# Altium PCB RHR075_GFC_ECAT_DNET_RS485_ALL_rev5.PcbDoc (part 1 of 4) (continued)
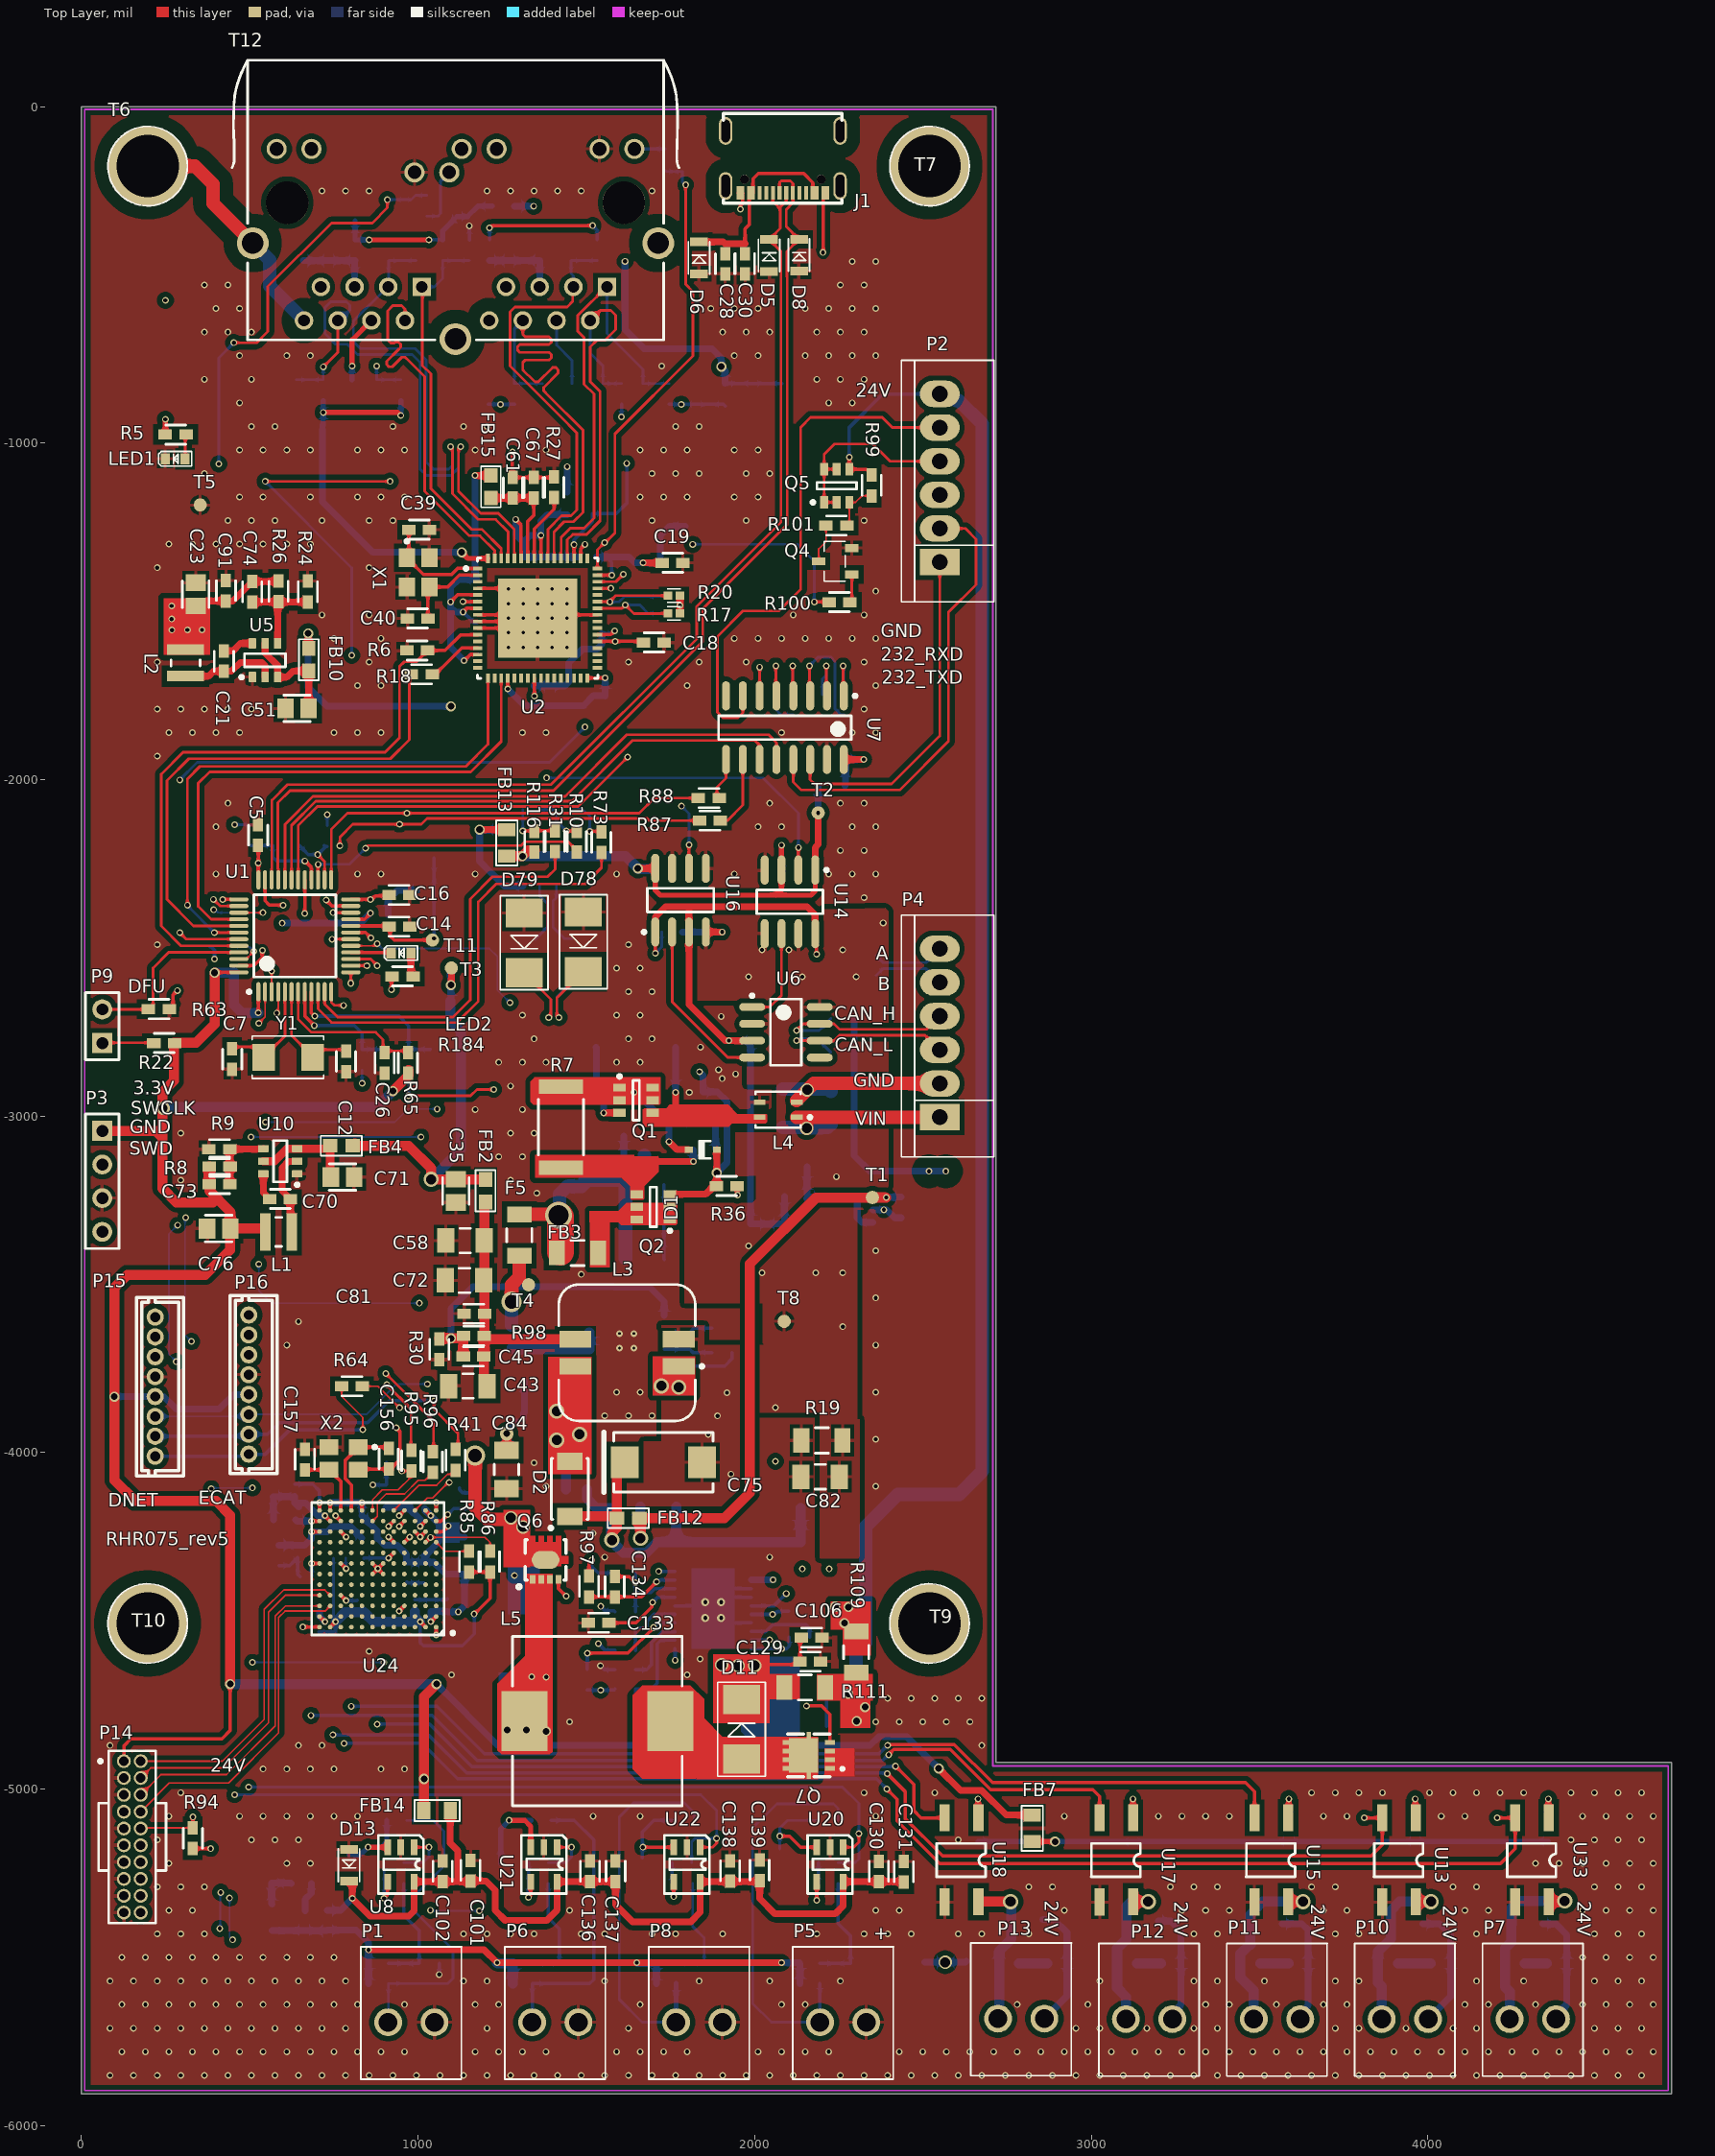
[diagram p0: Top Layer view]
## Components (designator, comment, footprint, x,y, rotation, side; value= is the part's Value field where it differs from the comment) (continued)
D11 "SS10200B" SMB 1961,-4911 r90 top
D12 "B540C-13-F" SMC 1321,-4475.25 r270 bottom
D13 "PESD3V3L1BA" SOD323 795,-5179.25 r270 top
D59 "1N4148WS" SOD323 4247.51,-5401 r0 bottom
D78 "SMBJ6.5A" SMB 1491.31,-2393.56 r270 top
D79 "SMBJ6.5A" SMB 1315.31,-2396.56 r270 top
F5 "30V/500mA" RESC3216X070N_1206 1301,-3354 r270 top
F7 "SMD1210P020TS" RESC3216X070N_1206 1348.31,-2528.56 r270 bottom
F8 "SMD1210P020TS" RESC3216X070N_1206 1458.31,-2526.56 r270 bottom
FB1 "FBC0603" FBC0603 1443,-1146 r270 bottom value="600 Ohms @ 100MHz"
FB2 "FBC0603" FBC0603 1200.53,-3255.46 r90 top value="600 Ohms @ 100MHz"
FB3 "BLM31PG121SN1L" RESC3216X070N_1206 1474.02,-3407 r180 top
FB4 "FBC0603" FBC0603 805.7,-3088.32 r180 top value="600 Ohms @ 100MHz"
FB5 "FBC0603" FBC0603 2155.45,-3238.65 r180 bottom value="600 Ohms @ 100MHz"
FB6 "FBC0603" FBC0603 905,-4163 r90 bottom value="600 Ohms @ 100MHz"
FB7 "JWWBW2012 M600HT" 0805CZ 2825,-5156 r90 top
FB8 "JWWBW2012 M600HT" 0805CZ 2268,-2018 r180 bottom
FB9 "FBC0603" FBC0603 637,-4200 r180 bottom value="600 Ohms @ 100MHz"
FB10 "FBC0603" FBC0603 675.48,-1610.47 r270 top value="600 Ohms @ 100MHz"
FB11 "FBC0603" FBC0603 1278,-3621.51 r270 bottom value="600 Ohms @ 100MHz"
FB12 "FBC0603" FBC0603 1591,-4195 r0 top value="600 Ohms @ 100MHz"
FB13 "JWWBW2012 M600HT" 0805CZ 1264,-2149 r270 top
FB14 "JWWBW2012 M600HT" 0805CZ 1096,-5064 r180 top
FB15 "FBC0603" FBC0603 1216.48,-1096.48 r270 top value="600 Ohms @ 100MHz"
FB16 "FBC0603" FBC0603 1912.46,-823.04 r270 bottom value="600 Ohms @ 100MHz"
FB17 "FBC0603" FBC0603 1287,-296 r180 bottom value="600 Ohms @ 100MHz"
FB18 "FBC0603" FBC0603 833,-4187 r270 bottom value="600 Ohms @ 100MHz"
J1 "TYPEC-304J-BCP16" TYPEC_16P 2084,-88 r180 top locked
L1 "BDCD002520122R2MS1" PULS-BDCD00252012_V 585.7,-3344.32 r180 top
L2 "BDCD002520122R2MS1" PULS-BDCD00252012_V 309.48,-1653.47 r90 top
L3 "MSD1048-103MED" COIL-MSD1048-4_V 1621,-3703.51 r270 top
L4 "ACP3225-501-2P-T000" TDK-ACP3225-4_V 2070,-2981 r180 top
L5 "FCH1365-220M" FNGCH-FCH1365-2_V 1533,-4798 r0 top
L7 "1276AS-H-100M=P2" MURA-IND1210_V 1138,-4306 r270 bottom value=1276AS-H-100M=P2
LED1 "5V" 0603LED 308,-1047 r180 top
LED2 "5V" 0603LED 979,-2515.51 r180 top
P1 "KF250NH-3.5-2P" KF250NH-3.5-2P 1049,-5693 r180 top locked
P2 "ZX-XH2.54-6PZZ" 6X2.54MMZ 2550,-1354 r90 top
P3 "Header 4" HDR1X4 62,-3044 r270 top
P4 "ZX-XH2.54-6PZZ" 6X2.54MMZ 2550,-3003 r90 top
P5 "KF250NH-3.5-2P" KF250NH-3.5-2P 2332,-5693 r180 top locked
P6 "KF250NH-3.5-2P" KF250NH-3.5-2P 1476.67,-5693 r180 top locked
P7 "KF250NH-3.5-2P" KF250NH-3.5-2P 4381,-5683.51 r180 top
P8 "KF250NH-3.5-2P" KF250NH-3.5-2P 1904.33,-5693 r180 top locked
P9 "Header 2" HDR1X2 62,-2783 r90 top
P10 "KF250NH-3.5-2P" KF250NH-3.5-2P 4001,-5683.51 r180 top
P11 "KF250NH-3.5-2P" KF250NH-3.5-2P 3621,-5683.51 r180 top
P12 "KF250NH-3.5-2P" KF250NH-3.5-2P 3241,-5683.51 r180 top
P13 "KF250NH-3.5-2P" KF250NH-3.5-2P 2861,-5682 r180 top
P14 "FTSH-110-01-F-D-K" SMTC-FTSH-110-01-F-D-K_V 151,-5142 r270 top
P15 "HC-ZH1.5-8A" CONN-TH_HC-ZH1.5-8A 219,-3804 r270 top
P16 "HC-ZH1.5-8A" CONN-TH_HC-ZH1.5-8A 497,-3798 r270 top
Q1 "SQ3419AEEV-T1_GE3" VISH-TSOP-6_V 1648,-2953 r0 top
Q2 "SQ3419AEEV-T1_GE3" VISH-TSOP-6_V 1699,-3270 r180 top
Q3 "TLV431BIDBZT" SOT23-3 566,-5341.94 r0 bottom value=TLV431BIDBZR
Q4 "MMBTA05L" sot23-3 2289,-1390.74 r0 top
Q5 "SQ3419AEEV-T1_GE3" VISH-TSOP-6_V 2244,-1127 r90 top
Q6 "AON7264E-HXY" WDFN-5_L3.3-W3.3-P0.65-BL 1379.01,-4347.94 r0 top
Q7 "GT130N10D3" PPAK3X3_L3.2-W3.1-P0.65-LS3.3-BL 2161.01,-4899.79 r90 top
Q9 "MMBT4403-7-F" SOT-23_3N_95P_240x300x100 1847,-2971.16 r90 bottom
R1 "49.9" RESC1608X055N_0603 834,-2832.51 r270 bottom
R2 "49.9" RESC1608X055N_0603 972,-2832.51 r270 bottom
R3 "49.9" RESC1608X055N_0603 503,-2165 r90 bottom
R4 "49.9" RESC1608X055N_0603 730,-2168 r90 bottom
R5 "1k/1%" RESC1608X055N_0603 280,-975 r180 top
R6 "10k/1%" RESC1608X055N_0603 997.48,-1616.47 r0 top
R7 "680mR/2W" RESC6331X070N_2512 1425,-3033 r90 top
R8 "33k/1%" RESC1608X055N_0603 410.7,-3150.32 r180 top
R9 "10k/1%" RESC1608X055N_0603 409.7,-3098.32 r0 top
R10 "1k/1%" RESC1608X055N_0603 1471.69,-2184.39 r270 top
R11 "0" RESC1608X055N_0603 413.02,-2497 r0 bottom
R12 "51K" RESC1608X055N_0603 4038.04,-5518 r0 bottom
R13 "510" RESC1608X055N_0603 3963,-5119.51 r270 bottom
R14 "51K" RESC1608X055N_0603 3614.98,-5518 r0 bottom
R15 "510" RESC1608X055N_0603 3587,-5119.51 r270 bottom
R16 "51K" RESC1608X055N_0603 3237.04,-5518 r0 bottom
R17 "10k/1%" RESC1005X040N_0402 1760.49,-1506.47 r0 top
R18 "33" RESC1608X055N_0603 1011,-1687 r0 top
R19 "1Meg" RESC3216X070N_1206 2200,-3964 r0 top
R20 "10k/1%" RESC1005X040N_0402 1760.49,-1453.47 r0 top
R21 "510" RESC1608X055N_0603 3124,-5134 r270 bottom
R22 "10k/1%" RESC1608X055N_0603 246,-2783 r180 top
R23 "51K" RESC1608X055N_0603 2897.98,-5518 r0 bottom
R24 "10k/1%" RESC1608X055N_0603 672.48,-1441.47 r270 top
R25 "1M" RESC1608X055N_0603 1503,-4675 r90 bottom
R26 "33k/1%" RESC1608X055N_0603 585.48,-1440.47 r90 top
R27 "12.1k" RESC1608X055N_0603 1404.48,-1131.48 r270 top
R28 "20" RESC1608X055N_0603 1642,-3116.51 r0 bottom
R29 "510" RESC1608X055N_0603 2665,-5124 r270 bottom
R30 "10k/1%" RESC1608X055N_0603 1063,-3693 r90 top
R31 "1k/1%" RESC1608X055N_0603 1406.69,-2183.39 r270 top
R32 "0" RESC1608X055N_0603 467.66,-2395.61 r180 bottom
R33 "32.4k/1%" RESC1608X055N_0603 1616,-4702.57 r0 bottom
R34 "100K/%1" RESC1608X055N_0603 2220,-5217 r180 bottom
R35 "1k/1%" RESC1608X055N_0603 1849,-3101.41 r0 bottom
R36 "16.9k" RESC1608X055N_0603 1917,-3208 r180 top
R37 "2K/0.1%" RESC1608X055N_0603 886,-5582 r180 bottom
R38 "10K/1%" RESC1608X055N_0603 934,-5285 r0 bottom
R39 "10K/1%" RESC1608X055N_0603 935.23,-5093 r0 bottom
R40 "100K/%1" RESC1608X055N_0603 795,-5225.98 r270 bottom
R41 "0" RESC1608X055N_0603 1112,-4022 r270 top
R42 "2K/0.1%" RESC1608X055N_0603 2165.93,-5578 r180 bottom
R43 "2K/0.1%" RESC1608X055N_0603 2165.93,-5518 r180 bottom
R44 "75/0.1%" RESC1608X055N_0603 1035,-5520 r180 bottom
R45 "10K/1%" RESC1608X055N_0603 2213,-5282 r0 bottom
R46 "10K/1%" RESC1608X055N_0603 2214,-5092 r0 bottom
R47 "100K/%1" RESC1608X055N_0603 2075,-5205 r270 bottom
R48 "75/0.1%" RESC1608X055N_0603 2315.93,-5518 r180 bottom
R49 "100K/%1" RESC1608X055N_0603 1362,-5217 r180 bottom
R50 "18.7K/1%" RESC1608X055N_0603 1616,-4645.14 r180 bottom
R51 "100K/%1" RESC1608X055N_0603 1780,-5220 r180 bottom
R52 "2K/0.1%" RESC1608X055N_0603 1310,-5579 r180 bottom
R53 "2K/0.1%" RESC1608X055N_0603 1320,-5519 r180 bottom
R54 "133K/1%" RESC1608X055N_0603 1616,-4587.71 r0 bottom
R55 "5.23K/1%" RESC1608X055N_0603 1616,-4760 r180 bottom
R56 "10K/1%" RESC1608X055N_0603 1357,-5282 r0 bottom
R57 "100" RESC1608X055N_0603 1471,-4109.49 r180 bottom
R58 "2K/0.1%" RESC1608X055N_0603 1739,-5583 r180 bottom
R59 "2K/0.1%" RESC1608X055N_0603 1743,-5518 r180 bottom
R60 "10K/1%" RESC1608X055N_0603 1361,-5090 r0 bottom
R61 "100K/%1" RESC1608X055N_0603 1244,-5244 r270 bottom
R62 "10K/1%" RESC1608X055N_0603 1785,-5284 r0 bottom
R63 "100K" RESC1608X055N_0603 230,-2682 r0 top
R64 "0" RESC1608X055N_0603 804,-3803 r0 top
R65 "10k/1%" RESC1608X055N_0603 970,-2842 r90 top
R66 "10k/1%" RESC1005X040N_0402 959.46,-295 r90 bottom
R67 "49.9" RESC1608X055N_0603 1286.46,-854 r270 bottom
R68 "49.9" RESC1608X055N_0603 1532.46,-427 r90 bottom
R69 "49.9" RESC1608X055N_0603 1604.46,-854 r270 bottom
R70 "49.9" RESC1608X055N_0603 1745.46,-854 r270 bottom
R71 "0ohm" RESC1608X055N_0603 1212.46,-427 r270 bottom
R72 "120" RESC1608X055N_0603 1026.46,-295 r270 bottom
R73 "1k/1%" RESC1608X055N_0603 1544.69,-2186.39 r270 top
R74 "10k/1%" RESC1005X040N_0402 1785,-175 r270 bottom
R75 "120" RESC1608X055N_0603 1733,-157 r90 bottom
R76 "49.9" RESC1608X055N_0603 718.46,-843 r270 bottom
R77 "49.9" RESC1608X055N_0603 994.46,-427 r90 bottom
R78 "49.9" RESC1608X055N_0603 949,-843 r270 bottom
R79 "49.9" RESC1608X055N_0603 1073.46,-427 r90 bottom
R80 "0ohm" RESC1608X055N_0603 813.46,-427 r270 bottom
R81 "75/0.1%" RESC1608X055N_0603 1454,-5516 r180 bottom
R82 "10K/1%" RESC1608X055N_0603 1782,-5095 r0 bottom
R83 "100K/%1" RESC1608X055N_0603 1668,-5235 r270 bottom
R84 "75/0.1%" RESC1608X055N_0603 1880.93,-5516 r180 bottom
R85 "1k/1%" RESC1608X055N_0603 1152,-4324 r270 top
R86 "1k/1%" RESC1608X055N_0603 1214,-4324 r270 top
R87 "4.7K" RESC1608X055N_0603 1867,-2122 r180 top
R88 "4.7K" RESC1608X055N_0603 1864,-2055 r180 top
R89 "6.49k/1%" RESC1005X040N_0402 667,-4366 r0 bottom
R90 "10k/1%" RESC1005X040N_0402 767,-4314 r180 bottom
R91 "10k/1%" RESC1005X040N_0402 819,-4457 r270 bottom
R92 "0ohm" RESC1608X055N_0603 839,-4345.26 r270 bottom
R93 "10k/1%" RESC1005X040N_0402 924,-4029 r180 bottom
R94 "10k/1%" RESC1608X055N_0603 331,-5146 r270 top
R95 "100/NC" RESC1608X055N_0603 980,-4024 r90 top
R96 "100/NC" RESC1608X055N_0603 1044,-4028 r90 top
R97 "10K/1%" RESC1608X055N_0603 1508,-4398 r90 top
R98 "75k/1%" RESC1608X055N_0603 1166,-3653 r0 top
R99 "10K" RESC1608X055N_0603 2348,-1126 r270 top
R100 "1k/1%" RESC1608X055N_0603 2252,-1473 r0 top
R101 "10K" RESC1608X055N_0603 2243,-1245 r180 top
R102 "100/0.1%" RESC1608X055N_0603 731,-5390.93 r270 bottom
R103 "20K/0.1%" RESC1608X055N_0603 662,-5385 r90 bottom
R104 "200/0.1%" RESC1608X055N_0603 650.98,-5281 r180 bottom
R105 "20K/0.1%" RESC1608X055N_0603 532.98,-5279 r180 bottom
R106 "16mR/1W" RESC3216X070N_1206 1378,-4330 r0 bottom
R107 "1K/1%" RESC1608X055N_0603 1616,-4415.43 r180 bottom
R108 "18.7K/1%" RESC1608X055N_0603 1616,-4472.86 r0 bottom
R109 "0" RESC3216X070N_1206 2302,-4593 r90 top
R110 "120" RESC1608X055N_0603 2361,-2551 r90 bottom
R111 "0" RESC3216X070N_1206 2149,-4698 r180 top
R116 "100K" RESC1608X055N_0603 1345.69,-2184.39 r270 top
R141 "51K" RESC1608X055N_0603 4382.98,-5518 r0 bottom
R142 "510" RESC1608X055N_0603 4358,-5119.51 r270 bottom
R184 "1k/1%" RESC1608X055N_0603 954,-2585 r180 top
R192 "100K/%1" RESC1608X055N_0603 937,-5222 r180 bottom
R193 "2K/0.1%" RESC1608X055N_0603 888,-5517 r180 bottom
T1 "TP" TPD 2350,-3242 r90 top
T2 "TP" TPD 2189,-2099 r270 top
T3 "TP" TPD 1099,-2560 r180 top
T4 "TP" TPD 1328.47,-3501.53 r0 top
T5 "TP" TPD 353,-1184 r90 top
T6 "TP" FIX-4.5 196.85,-177.17 r0 top
T7 "TP" FIX-4.5 2519.69,-177.17 r0 top
T8 "TP" TPD 2088,-3610 r0 top
T9 "TP" FIX-4.5 2519.69,-4507.87 r0 top
T10 "TP" FIX-4.5 196.85,-4507.87 r0 top
T11 "TP" TPD 1043,-2477 r270 top
T12 "KRJ-215GYZNL" DGKYD-KRJ-211_V 1111.46,-280 r180 top locked
U1 "STM32G473CET6" STM-LQFP48_N 634,-2464.51 r90 top
U2 "LAN9252" MCHP-QFN-64-6000x6000TP_V 1355.48,-1520.47 r0 top
U3 "M24512-RMN6TP" STM-SO8N_L 1823.48,-1431.47 r180 bottom
U4 "REF5030ID" SO-8 1147.57,-2556.49 r90 bottom
U5 "TPS562201DDCR" DDC0006A_L 545.48,-1645.47 r90 top
U6 "TJA1050T/CM,118" NXP-SOT96-1_N 2093,-2751 r0 top
U7 "MAX3232ESE+" SOIC127P600X265-16N 2090,-1846 r270 top
U8 "AD8615AUJZ-R2" sot-23-5 949,-5224 r270 top
U9 "LM25118MHX/NOPB" HTSSOP-20_L6.5-W4.4-P0.65-LS6.4-BL-EP 1877,-4468 r90 bottom
U10 "TPS562201DDCR" DDC0006A_L 590.7,-3134.32 r180 top
U11 "LMR36520FADDAR" DDA0008A_M 1620,-3668 r0 bottom
U12 "ME6119C50M5G" MCRN-SOT23-5_V 2299.75,-3278.5 r180 bottom
U13 "AQY212S" sop4 3965,-5085.51 r270 top
U14 "ADUM1100ARZ-RL7" ADI-R-8_N 2105,-2363.51 r270 top
U15 "AQY212S" sop4 3585,-5085.51 r270 top
U16 "ADUM1100ARZ-RL7" ADI-R-8_N 1780,-2358.51 r90 top
U17 "AQY212S" sop4 3125,-5085.51 r270 top
U18 "AQY212S" sop4 2665,-5085.51 r270 top
U19 "THVD1400DR" so-8 1311.31,-2089.56 r270 bottom
U20 "AD8615AUJZ-R2" sot-23-5 2224,-5224 r270 top
U21 "AD8615AUJZ-R2" sot-23-5 1374,-5224 r270 top
U22 "AD8615AUJZ-R2" sot-23-5 1799,-5224 r270 top
U24 "NETX 90" HILSCH-LFBGA144_V 880.74,-4345.26 r180 top locked
U33 "AQY212S" sop4 4360,-5085.51 r270 top
X1 "X322525MMB4SI" TXC-7M-4_V 1000.48,-1384.47 r270 top
X2 "X322525MMB4SI" TXC-7M-4_V 778.74,-4017.26 r180 top
Y1 "X50328MSB2GI" CRAY_5032 541,-2825.51 r0 top

## Footprints (in the part's own frame and the unit in brackets; to place one, negate y for a bottom-side part, rotate by r counter-clockwise, add the part's x,y. Pads: shape width x height; smd on the part's side, far side on the other; paste and mask are expansions set on the pad)
6X2.54MMZ [mm]
  rect 2x3 hole 1.2: 1(0,0)
  oval 2x3 hole 1.2: 2(2.54,0) 3(5.08,0) 4(7.62,0) 5(10.16,0) 6(12.7,0)
  silkscreen extent -3,-4.1 15.24,2.9
0603LED [mm]
  rect 0.7x0.85 smd: 1(0,0) 2(1.5,0)
  silkscreen extent -0.5,-0.55 2,0.55
0805CZ [mm]
  rect 1x1.3 smd: 1(0,0) 2(2,0)
  silkscreen extent -0.7,-0.8 2.7,0.8
2220c [mm] "C"
  rect 1.3x5 smd: 1(0,0) 2(6,0)
  silkscreen extent -1.25,-2.75 7.25,2.75
ADI-R-8_N [mm] "SOIC, 8-Leads, Body 5x4mm, Pitch 1.27mm, IPC Medium Density"
  oval 2.2x0.6 smd: 1(-2.4,1.905) 2(-2.4,0.635) 3(-2.4,-0.635) 4(-2.4,-1.905) 5(2.4,-1.905) 6(2.4,-0.635) 7(2.4,0.635) 8(2.4,1.905)
  silkscreen extent -2.52,-2.5 0.9,2.88, body extent -2,-2.5 2,2.5, height 1.75
AVX-TAJ-D-2_L [mm] "Molded, 2-Leads, Body 7.5x4.5mm, IPC High Density"
  rect 2.1x2.4 smd: 1(-2.925,0) 2(2.925,0)
  silkscreen extent -4.47,-2.25 3.75,2.25, body extent -3.65,-2.15 3.65,2.15, height 2.81
CAPC1005X056N_0402 [mil] "Chip Capacitor, 0402"
  round 10 on Mech3: 0(0,0)
  rect 25x24 smd mask+1.97: 1(-18.03,0) 2(18.03,0)
  silkscreen extent -20,-20 20,20, body extent -20,-10 20,10, height 22
CAPC1608X092N_0603 [mil] "Chip Capacitor, 0603"
  round 10 on Mech3: 0(0,0)
  rect 40x30 smd: 1(-30.98,0) 2(30,0)
  silkscreen extent -30,-29 30,29, body extent -31,-16 31,16, height 36
CAPC2012X127N_0805 [mm] "Chip Capacitor, 0805"
  round 0.254 on Mech3: 0(0,0)
  rect 1.25x1.5 smd: 1(-0.875,0) 2(0.875,0)
  silkscreen extent -1,-1 1,1, body extent -1,-0.6 1,0.6, height 1.27
CAPC3216X156N_1206 [mm] "Chip Capacitor, 1206"
  round 0.254 on Mech3: 0(0,0)
  rect 1.3x1.85 smd: 1(-1.45,0) 2(1.45,0)
  silkscreen extent -0.4,-0.92 0.4,0.93, body extent -1.6,-0.8 1.6,0.8, height 1.52
COIL-MSD1048-4_V [mm] "SMD, 4-Leads, Body 10.3x10.3mm, Height 4.8mm"
  rect 1.25x2.4 smd: 1(1.025,3.9) 2(-1.025,3.9) 3(-1.025,-3.9) 4(1.025,-3.9)
  silkscreen extent -5.15,-5.15 5.15,5.77, body extent -5.15,-5.15 5.15,5.15, height 5.1
CONN-TH_HC-ZH1.5-8A [mm]
  round 1.3 hole 0.75 paste-2539.97 mask+0.05: 1(-5.25,0) 2(-3.75,0) 3(-2.25,0) 4(-0.75,0) 5(0.75,0) 6(2.25,0) 7(3.75,0) 8(5.25,0)
  silkscreen extent -6.73,-1.4 6.73,2.16
CRAY_5032 [mm]
  rect 1.7x2 smd: 1(0,0) 2(3.7,0)
  silkscreen extent -0.86,-1.6 4.55,1.6
DDA0008A_M [mm] "SOP, 8-Leads, Body 4x5mm, Pitch 1.27mm, Thermal Pad 2.29x2.29mm, IPC Low Density"
  rrect15% 1.65x0.65 smd: 1(-2.825,1.905) 2(-2.825,0.635) 3(-2.825,-0.635) 4(-2.825,-1.905) 5(2.825,-1.905) 6(2.825,-0.635) 7(2.825,0.635) 8(2.825,1.905)
  rrect4% 2.29x2.29 smd: 9(0,0)
  silkscreen extent -2.95,-2.5 1.6,2.9, body extent -2.98,-2.45 2.98,2.45, height 1.55
DDC0006A_L [mm] "SOT23, 6-Leads, Body 3.05x1.75mm, Pitch 0.95mm, IPC High Density"
  rrect18% 0.8x0.55 smd: 1(-1.275,0.95) 2(-1.275,0) 3(-1.275,-0.95) 4(1.275,-0.95) 5(1.275,0) 6(1.275,0.95)
  silkscreen extent -1.4,-1.55 0.5,1.9, body extent -1.43,-1.48 1.43,1.49, height 0.9
DGKYD-KRJ-211_V [mm] "LAN Transformer, body 30.8x21.0mm"
  rect 1.4x1.4 hole 0.89: A1(-11.43,6.5) B1(2.54,6.5)
  round 1.4 hole 0.89: A2(-10.16,9.04) A3(-8.89,6.5) A4(-7.62,9.04) A5(-6.35,6.5) A6(-5.08,9.04) A7(-3.81,6.5) A8(-2.54,9.04) B2(3.81,9.04) B3(5.08,6.5) B4(6.35,9.04) B5(7.62,6.5) B6(8.89,9.04) B7(10.16,6.5) B8(11.43,9.04)
  round 1.52 hole 1.02: A9(-13.5,-3.91) A10(-10.87,-3.91) A11(-3.1,-3.91) A12(-0.47,-3.91) B9(0.47,-2.14) B10(3.1,-2.14) B11(10.87,-3.91) B12(13.5,-3.91)
  round 3.2 hole 3.2 unplated: MH1(-12.7,0.15) MH2(12.7,0.15)
  round 2.4 hole 1.63: S1(-15.3,3.2) S2(0,10.44) S3(15.3,3.2)
  silkscreen extent -16.86,-10.6 16.86,10.5, body extent -16.92,-10.75 16.92,10.75, height 14.81
DIOD-SOD323-2_V [mm] "SOD-323, 2-Leads, Body 1.7x1.3mm, Lead Span 2.5mm"
  rect 0.59x0.45 smd: 1(-1.055,0) 2(1.055,0)
  silkscreen extent -0.56,-0.65 0.26,0.65, body extent -1.21,-0.65 1.31,0.65, height 1.13
FBC0603 [mm]
  rect 1.1x1 smd: 1(0,0)
  rect 1.1x1 smd mask+0.102: 2(1.7,0)
  silkscreen extent -0.7,-0.75 2.4,0.75, body extent 0.05,-0.41 1.65,0.41, height 0.84
FIX-4.5 [mm]
  round 6 hole 4.7: 1(0,0)
  silkscreen extent -3,-3 3,3
FNGCH-FCH1365-2_V [mm] "SMT Power Inductor, 2-Leads, body 13.7x12.8mm"
  rect 3.5x4.5 smd: 1(-5.5,0) 2(5.5,0)
  silkscreen extent -6.4,-6.4 6.4,6.4, body extent -6.75,-6.25 6.75,6.25, height 6.2
HDR1X2 [mm] "Connector; Header; 2 Position"
  rect 1.5x1.5 hole 0.9: 1(0,0)
  round 1.5 hole 0.9: 2(2.54,0)
  silkscreen extent -1.27,-1.27 3.81,1.27
HDR1X4 [mm] "Connector; Header; 4 Position"
  rect 1.5x1.5 hole 0.9: 1(0,0)
  round 1.5 hole 0.9: 2(2.54,0) 3(5.08,0) 4(7.62,0)
  silkscreen extent -1.27,-1.27 8.89,1.27
HILSCH-LFBGA144_V [mm] "BGA, 144-Balls, Body 10x10mm, Pitch 0.8mm"
  round 0.35 smd: A1(-4.4,4.4) A2(-3.6,4.4) A3(-2.8,4.4) A4(-2,4.4) A5(-1.2,4.4) A6(-0.4,4.4) A7(0.4,4.4) A8(1.2,4.4) A9(2,4.4) A10(2.8,4.4) A11(3.6,4.4) A12(4.4,4.4) B1(-4.4,3.6) B2(-3.6,3.6) B3(-2.8,3.6) B4(-2,3.6) B5(-1.2,3.6) B6(-0.4,3.6) B7(0.4,3.6) B8(1.2,3.6) B9(2,3.6) B10(2.8,3.6) B11(3.6,3.6) B12(4.4,3.6) C1(-4.4,2.8) C2(-3.6,2.8) C3(-2.8,2.8) C4(-2,2.8) C5(-1.2,2.8) C6(-0.4,2.8) C7(0.4,2.8) C8(1.2,2.8) C9(2,2.8) C10(2.8,2.8) C11(3.6,2.8) C12(4.4,2.8) D1(-4.4,2) D2(-3.6,2) D3(-2.8,2) D4(-2,2) D5(-1.2,2) D6(-0.4,2) D7(0.4,2) D8(1.2,2) D9(2,2) D10(2.8,2) D11(3.6,2) D12(4.4,2) E1(-4.4,1.2) E2(-3.6,1.2) E3(-2.8,1.2) E4(-2,1.2) E5(-1.2,1.2) E6(-0.4,1.2) E7(0.4,1.2) E8(1.2,1.2) E9(2,1.2) E10(2.8,1.2) E11(3.6,1.2) E12(4.4,1.2) F1(-4.4,0.4) F2(-3.6,0.4) F3(-2.8,0.4) F4(-2,0.4) F5(-1.2,0.4) F6(-0.4,0.4) F7(0.4,0.4) F8(1.2,0.4) F9(2,0.4) F10(2.8,0.4) F11(3.6,0.4) F12(4.4,0.4) G1(-4.4,-0.4) G2(-3.6,-0.4) G3(-2.8,-0.4) G4(-2,-0.4) G5(-1.2,-0.4) G6(-0.4,-0.4) G7(0.4,-0.4) G8(1.2,-0.4) G9(2,-0.4) G10(2.8,-0.4) G11(3.6,-0.4) G12(4.4,-0.4) H1(-4.4,-1.2) H2(-3.6,-1.2) H3(-2.8,-1.2) H4(-2,-1.2) H5(-1.2,-1.2) H6(-0.4,-1.2) H7(0.4,-1.2) H8(1.2,-1.2) H9(2,-1.2) H10(2.8,-1.2) H11(3.6,-1.2) H12(4.4,-1.2) J1(-4.4,-2) J2(-3.6,-2) J3(-2.8,-2) J4(-2,-2) J5(-1.2,-2) J6(-0.4,-2) J7(0.4,-2) J8(1.2,-2) J9(2,-2) J10(2.8,-2) J11(3.6,-2) J12(4.4,-2) K1(-4.4,-2.8) K2(-3.6,-2.8) K3(-2.8,-2.8) K4(-2,-2.8) K5(-1.2,-2.8) K6(-0.4,-2.8) K7(0.4,-2.8) K8(1.2,-2.8) K9(2,-2.8) K10(2.8,-2.8) K11(3.6,-2.8) K12(4.4,-2.8) L1(-4.4,-3.6) L2(-3.6,-3.6) L3(-2.8,-3.6) L4(-2,-3.6) L5(-1.2,-3.6) L6(-0.4,-3.6) L7(0.4,-3.6) L8(1.2,-3.6) L9(2,-3.6) L10(2.8,-3.6) L11(3.6,-3.6) L12(4.4,-3.6) M1(-4.4,-4.4) M2(-3.6,-4.4) M3(-2.8,-4.4) M4(-2,-4.4) M5(-1.2,-4.4) M6(-0.4,-4.4) M7(0.4,-4.4) M8(1.2,-4.4) M9(2,-4.4) M10(2.8,-4.4) M11(3.6,-4.4) M12(4.4,-4.4)
  silkscreen extent -5.77,-5 5,5, body extent -5,-5 5,5, height 1.37
HTSSOP-20_L6.5-W4.4-P0.65-LS6.4-BL-EP [mm]
  oval 0.343x1.747 smd: 1(-2.925,-2.873) 2(-2.275,-2.873) 3(-1.625,-2.873) 4(-0.975,-2.873) 5(-0.325,-2.873) 6(0.325,-2.873) 7(0.975,-2.873) 8(1.625,-2.873) 9(2.275,-2.873) 10(2.925,-2.873) 11(2.925,2.873) 12(2.275,2.873) 13(1.625,2.873) 14(0.975,2.873) 15(0.325,2.873) 16(-0.325,2.873) 17(-0.975,2.873) 18(-1.625,2.873) 19(-2.275,2.873) 20(-2.925,2.873)
  rect 4.2x3 smd: 21(0,0)
  silkscreen extent -3.7,-3.02 3.33,1.77
KF250NH-3.5-2P [mm]
  round 2.1 hole 1.41: 1(0,0) 2(3.5,0)
  silkscreen extent -2.05,-5.71 5.55,4.3
LFUS-DO-214AC-A-2_N [mm] "Molded Diode, 2-Leads, Body 4.6x2.79mm, IPC Medium Density"
  rect 2.45x1.55 smd: 1(-1.55,0) 2(1.55,0)
  silkscreen extent -2.3,-1.4 2.3,1.4, body extent -2.52,-1.4 2.52,1.4, height 2.29
MCHP-QFN-64-6000x6000TP_V [mm] "QFN, 64-Leads, Body 9.1x9.1mm, Pitch 0.5mm, Thermal Pad 6.0x6.0mm"
  rect 0.69x0.28 smd: 1(-4.51,3.75) 2(-4.51,3.25) 3(-4.51,2.75) 4(-4.51,2.25) 5(-4.51,1.75) 6(-4.51,1.25) 7(-4.51,0.75) 8(-4.51,0.25) 9(-4.51,-0.25) 10(-4.51,-0.75) 11(-4.51,-1.25) 12(-4.51,-1.75) 13(-4.51,-2.25) 14(-4.51,-2.75) 15(-4.51,-3.25) 16(-4.51,-3.75) 33(4.51,-3.75) 34(4.51,-3.25) 35(4.51,-2.75) 36(4.51,-2.25) 37(4.51,-1.75) 38(4.51,-1.25) 39(4.51,-0.75) 40(4.51,-0.25) 41(4.51,0.25) 42(4.51,0.75) 43(4.51,1.25) 44(4.51,1.75) 45(4.51,2.25) 46(4.51,2.75) 47(4.51,3.25) 48(4.51,3.75)
  rect 0.28x0.69 smd: 17(-3.75,-4.51) 18(-3.25,-4.51) 19(-2.75,-4.51) 20(-2.25,-4.51) 21(-1.75,-4.51) 22(-1.25,-4.51) 23(-0.75,-4.51) 24(-0.25,-4.51) 25(0.25,-4.51) 26(0.75,-4.51) 27(1.25,-4.51) 28(1.75,-4.51) 29(2.25,-4.51) 30(2.75,-4.51) 31(3.25,-4.51) 32(3.75,-4.51) 49(3.75,4.51) 50(3.25,4.51) 51(2.75,4.51) 52(2.25,4.51) 53(1.75,4.51) 54(1.25,4.51) 55(0.75,4.51) 56(0.25,4.51) 57(-0.25,4.51) 58(-0.75,4.51) 59(-1.25,4.51) 60(-1.75,4.51) 61(-2.25,4.51) 62(-2.75,4.51) 63(-3.25,4.51) 64(-3.75,4.51)
  rect 6x6 smd: 65(0,0)
  silkscreen extent -5.53,-4.55 4.55,4.55, body extent -4.55,-4.55 4.55,4.55, height 1
MCRN-SOT23-5_V [mm] "SOT-23, 5-Leads, Body 3x1.7mm, Pitch 0.95mm"
  rect 1x0.66 smd: 1(-1.3,0.95) 2(-1.3,0) 3(-1.3,-0.95) 4(1.3,-0.95) 5(1.3,0.95)
  silkscreen extent -1.43,-1.5 0.4,1.95, body extent -1.5,-1.5 1.5,1.5, height 1.45
MURA-IND1210_V [mm] "SMT Inductor, 2 Leads, Body 3.2x2.5mm"
  rect 0.9x2.8 smd: 1(-1.4,0) 2(1.4,0)
  silkscreen extent -0.6,-1.6 0.6,1.6, body extent -1.6,-1.25 1.6,1.25, height 1.35
NXP-SOT96-1_N [mm] "SOIC, 8-Leads, Body 5x4mm, Pitch 1.27mm, IPC Medium Density"
  oval 1.95x0.6 smd: 1(-2.55,1.905) 2(-2.55,0.635) 3(-2.55,-0.635) 4(-2.55,-1.905) 5(2.55,-1.905) 6(2.55,-0.635) 7(2.55,0.635) 8(2.55,1.905)
  silkscreen extent -2.67,-2.5 1.17,2.88, body extent -2,-2.5 2,2.5, height 1.75
ONSC-SMA-FL-2-403AD_V [mm] "Molded, 2-Leads, Body 4.6x2.8mm"
  rect 1.3x1.9 smd: 1(-2.08,0) 2(2.08,0)
  silkscreen extent -3.07,-1.4 2.3,1.55, body extent -2.35,-1.25 2.35,1.25, height 1.1
PPAK3X3_L3.2-W3.1-P0.65-LS3.3-BL [mm]
  rect 0.35x0.75 smd paste-100 mask+0.051: 1(-0.975,-1.6) 2(-0.325,-1.6) 3(0.325,-1.6) 4(0.975,-1.6) 5(0.975,1.6) 6(0.325,1.6) 7(-0.325,1.6) 8(-0.975,1.6)
  rect 0.75x0.35 smd paste-100 mask+0.051: 8(-1.397,0) 8(1.397,0)
  rect 2.6x2.2 smd paste-100 mask+0.051: 8(0,0.4)
  silkscreen extent -1.62,-2.64 1.62,1.6
PULS-BDCD00252012_V [mm] "SMD, 2 Leads, Body 2.5 x 2.0mm"
  rect 0.8x2.8 smd: 1(-1,0) 2(1,0)
  silkscreen extent -0.23,-1.1 0.23,1.1, body extent -1.25,-1 1.25,1, height 1.2
RESC1005X040N_0402 [mil] "Chip Resistor, 0402"
  round 10 on Mech3: 0(0,0)
  rect 25x24.02 smd mask+1.97: 1(-18.03,0) 2(18.03,0)
  silkscreen extent -20,-20 20,20, body extent -20,-10 20,10, height 16
RESC1608X055N_0603 [mil] "Chip Resistor, 0603"
  round 10 on Mech3: 0(0,0)
  rect 40x30 smd: 1(-30.98,0) 2(30.98,0)
  silkscreen extent -30,-29 30,29, body extent -31,-16 31,16, height 22
RESC3216X070N_1206 [mm] "Chip Resistor, 1206"
  round 0.254 on Mech3: 0(0,0)
  rect 1.2x1.85 smd: 1(-1.55,0) 2(1.55,0)
  silkscreen extent -0.5,-0.95 0.5,0.95, body extent -1.55,-0.75 1.55,0.75, height 0.7
RESC6331X070N_2512 [mm] "Chip Resistor, 2512"
  round 0.254 on Mech3: 0(0,0)
  rect 1.1x3.35 smd: 1(-3.05,0) 2(3.05,0)
  silkscreen extent -2.1,-1.7 2.1,1.7, body extent -3.15,-1.55 3.15,1.55, height 0.7
SMB [mm]
  rect 2.2x2.8 smd: 1(0,0) 2(4.5,0)
  silkscreen extent -1.3,-1.8 5.8,1.8
SMC [mm]
  rect 2.5x3.3 smd: 1(0,0) 2(6.75,0)
  silkscreen extent -0.35,-3.25 7.15,3.25
SMTC-FTSH-110-01-F-D-K_V [mm] "CONN, 20-Leads, Body 12.7x3.43mm, Pitch 1.27mm"
  round 1.05 hole 0.7: 1(-5.715,-0.635) 2(-5.715,0.635) 3(-4.445,-0.635) 4(-4.445,0.635) 5(-3.175,-0.635) 6(-3.175,0.635) 7(-1.905,-0.635) 8(-1.905,0.635) 9(-0.635,-0.635) 10(-0.635,0.635) 11(0.635,-0.635) 12(0.635,0.635) 13(1.905,-0.635) 14(1.905,0.635) 15(3.175,-0.635) 16(3.175,0.635) 17(4.445,-0.635) 18(4.445,0.635) 19(5.715,-0.635) 20(5.715,0.635)
  silkscreen extent -6.5,-2.54 6.5,2.54, body extent -6.35,-2.54 6.35,2.54, height 5.73
SO-8 [mil]
  rect 55x25 smd: 1(0,0)
  oval 55x25 smd: 2(0,-50) 3(0,-100) 4(0,-150) 5(226.38,-150) 6(226.38,-100) 7(226.38,-50) 8(226.38,0)
  silkscreen extent 43,-175 183,25
so-8 [mil]
  rect 55x25 smd: 1(0,0)
  oval 55x25 smd: 2(0,-50) 3(0,-100) 4(0,-150) 5(226.38,-150) 6(226.38,-100) 7(226.38,-50) 8(226.38,0)
  silkscreen extent 43,-175 183,25
SOD323 [mm]
  rect 0.65x1.35 smd: 1(0,0) 2(2.4,0)
  silkscreen extent -0.03,-0.8 2.44,0.8
SOIC127P600X265-16N [mm] "SOIC, 16-Leads, Body 10.0x4.0mm (max), Pitch 1.27mm, IPC Medium Density"
  oval 2.2x0.6 smd: 1(-2.4,4.445) 2(-2.4,3.175) 3(-2.4,1.905) 4(-2.4,0.635) 5(-2.4,-0.635) 6(-2.4,-1.905) 7(-2.4,-3.175) 8(-2.4,-4.445) 9(2.4,-4.445) 10(2.4,-3.175) 11(2.4,-1.905) 12(2.4,-0.635) 13(2.4,0.635) 14(2.4,1.905) 15(2.4,3.175) 16(2.4,4.445)
  silkscreen extent -2.52,-5 0.9,5.42, body extent -2,-5 2,5, height 2.65
sop4 [mil]
  rect 80x30 smd: 1(0,0) 2(0,-100) 3(250,-100) 4(249,0)
  silkscreen extent 76,-125 176,21
SOT23-3 [mm]
  rect 1x0.6 smd: 1(0,0) 2(0,2) 3(-2.5,1)
  silkscreen extent -2.1,-0.5 -0.5,2.5
sot23-3 [mm]
  rect 1x0.6 smd: 1(0,0) 2(0,2) 3(-2.5,1)
  silkscreen extent -2.1,-0.5 -0.5,2.5
sot-23-5 [mm]
  rect 1.2x0.5 smd: 1(-1.3,1) 2(-1.3,0) 3(-1.3,-1) 4(1.3,-1) 5(1.3,1)
  silkscreen extent -2.2,-1.7 2.2,1.7
SOT-23_3N_95P_240x300x100 [mm] "SOT-23, 3 Leads"
  round 0.2 on Mech3: 0(0,0)
  rrect50% 1.3x0.6 smd: 1(-1.1,0.95) 2(-1.1,-0.95) 3(1.1,0)
  silkscreen extent -1.3,-1.6 0.71,1.8, body extent -1.17,-1.46 1.17,1.46, height 0.99
STM-LQFP48_N [mm] "QFP, 48-Leads, Body 7x7mm, Pitch 0.5mm, IPC Medium Density"
  oval 1.45x0.3 smd: 1(-4.225,2.75) 2(-4.225,2.25) 3(-4.225,1.75) 4(-4.225,1.25) 5(-4.225,0.75) 6(-4.225,0.25) 7(-4.225,-0.25) 8(-4.225,-0.75) 9(-4.225,-1.25) 10(-4.225,-1.75) 11(-4.225,-2.25) 12(-4.225,-2.75) 25(4.225,-2.75) 26(4.225,-2.25) 27(4.225,-1.75) 28(4.225,-1.25) 29(4.225,-0.75) 30(4.225,-0.25) 31(4.225,0.25) 32(4.225,0.75) 33(4.225,1.25) 34(4.225,1.75) 35(4.225,2.25) 36(4.225,2.75)
  oval 0.3x1.45 smd: 13(-2.75,-4.225) 14(-2.25,-4.225) 15(-1.75,-4.225) 16(-1.25,-4.225) 17(-0.75,-4.225) 18(-0.25,-4.225) 19(0.25,-4.225) 20(0.75,-4.225) 21(1.25,-4.225) 22(1.75,-4.225) 23(2.25,-4.225) 24(2.75,-4.225) 37(2.75,4.225) 38(2.25,4.225) 39(1.75,4.225) 40(1.25,4.225) 41(0.75,4.225) 42(0.25,4.225) 43(-0.25,4.225) 44(-0.75,4.225) 45(-1.25,4.225) 46(-1.75,4.225) 47(-2.25,4.225) 48(-2.75,4.225)
  silkscreen extent -4.35,-3.1 3.1,3.57, body extent -3.5,-3.5 3.5,3.5, height 1.6
STM-SO8N_L [mm] "SOIC, 8-Leads, Body 5x4mm, Pitch 1.27mm, IPC High Density"
  oval 1.25x0.55 smd: 1(-2.625,1.905) 2(-2.625,0.635) 3(-2.625,-0.635) 4(-2.625,-1.905) 5(2.625,-1.905) 6(2.625,-0.635) 7(2.625,0.635) 8(2.625,1.905)
  silkscreen extent -2.75,-2.5 1.6,2.85, body extent -3,-2.5 3,2.5, height 1.75
TDK-ACP3225-4_V [mm] "SMD, 4-Leads, Body 3.4x2.7mm"
  rect 0.9x0.4 smd: 1(-1.4,0.575) 2(-1.4,-0.575) 3(1.4,-0.575) 4(1.4,0.575)
  silkscreen extent -2.53,-1.35 1.7,1.35, body extent -1.6,-1.25 1.6,1.25, height 2
TPD [mm]
  round 1 smd: 1(0,0)
TXC-7M-4_V [mm] "SMD, 4-Leads, Body 3.2x2.5mm"
  rect 1.4x1.2 smd: 1(-1.1,-0.85) 2(1.1,-0.85) 3(1.1,0.85) 4(-1.1,0.85)
  silkscreen extent -2.47,-0.97 -2.23,-0.72, body extent -1.6,-1.25 1.6,1.25, height 0.8
TYPEC_16P [mm]
  oval 1x2.1 hole 0.65 slot 1.7 at 90 deg: 1(-4.32,3.759) 1(-4.32,-0.391) 1(4.32,3.759) 1(4.32,-0.391)
  round 0.67 hole 0.67 unplated: 2(-2.89,3.259) 2(2.89,3.259)
  rect 0.3x1 smd: A1(-3.05,4.293) A4(-2.25,4.293) A5(-1.25,4.293) A6(-0.25,4.293) A7(0.25,4.293) A8(1.25,4.293) A9(2.25,4.293) A12(3.35,4.293) B1(3.05,4.293) B4(2.55,4.293) B5(1.75,4.293) B6(0.75,4.293) B7(-0.75,4.293) B8(-1.75,4.293) B9(-2.55,4.293) B12(-3.35,4.293)
  silkscreen extent -4.45,-1.73 4.49,5.07
VISH-TSOP-6_V [mm] "SOP, 6-Leads, Body 3.05x1.5mm, Pitch 0.95mm"
  rect 0.95x0.6 smd: 1(-1.25,0.95) 2(-1.25,0) 3(-1.25,-0.95) 4(1.25,-0.95) 5(1.25,0) 6(1.25,0.95)
  silkscreen extent -1.37,-1.5 0.25,1.92, body extent -1.35,-1.5 1.35,1.5, height 1
WDFN-5_L3.3-W3.3-P0.65-BL [mm]
  rect 0.42x0.66 smd: 1(-0.975,-0.735) 2(-0.325,-0.735) 3(0.325,-0.735) 4(0.975,-0.735)
  oval 2.088x1.359 smd: 5(0,0.735)
  Top Layer region: 1.185,0.45 1.185,0.27 -1.185,0.27 -1.185,0.45 -1.75,0.45 -1.75,1.02 -1.185,1.02 -1.185,2.535 -0.765,2.535 -0.765,2.065 -0.535,2.065 -0.535,2.535 -0.115,2.535 -0.115,2.065 0.115,2.065 0.115,2.535 0.535,2.535 0.535,2.065 0.765,2.065 0.765,2.535 1.185,2.535 1.185,1.02 1.73,1.02 1.73,0.45 1.185,0.45
  silkscreen extent -2.15,-1.43 1.52,2.26